# Altium PCB Mainboard.PcbDoc (part 2 of 4) (continued)
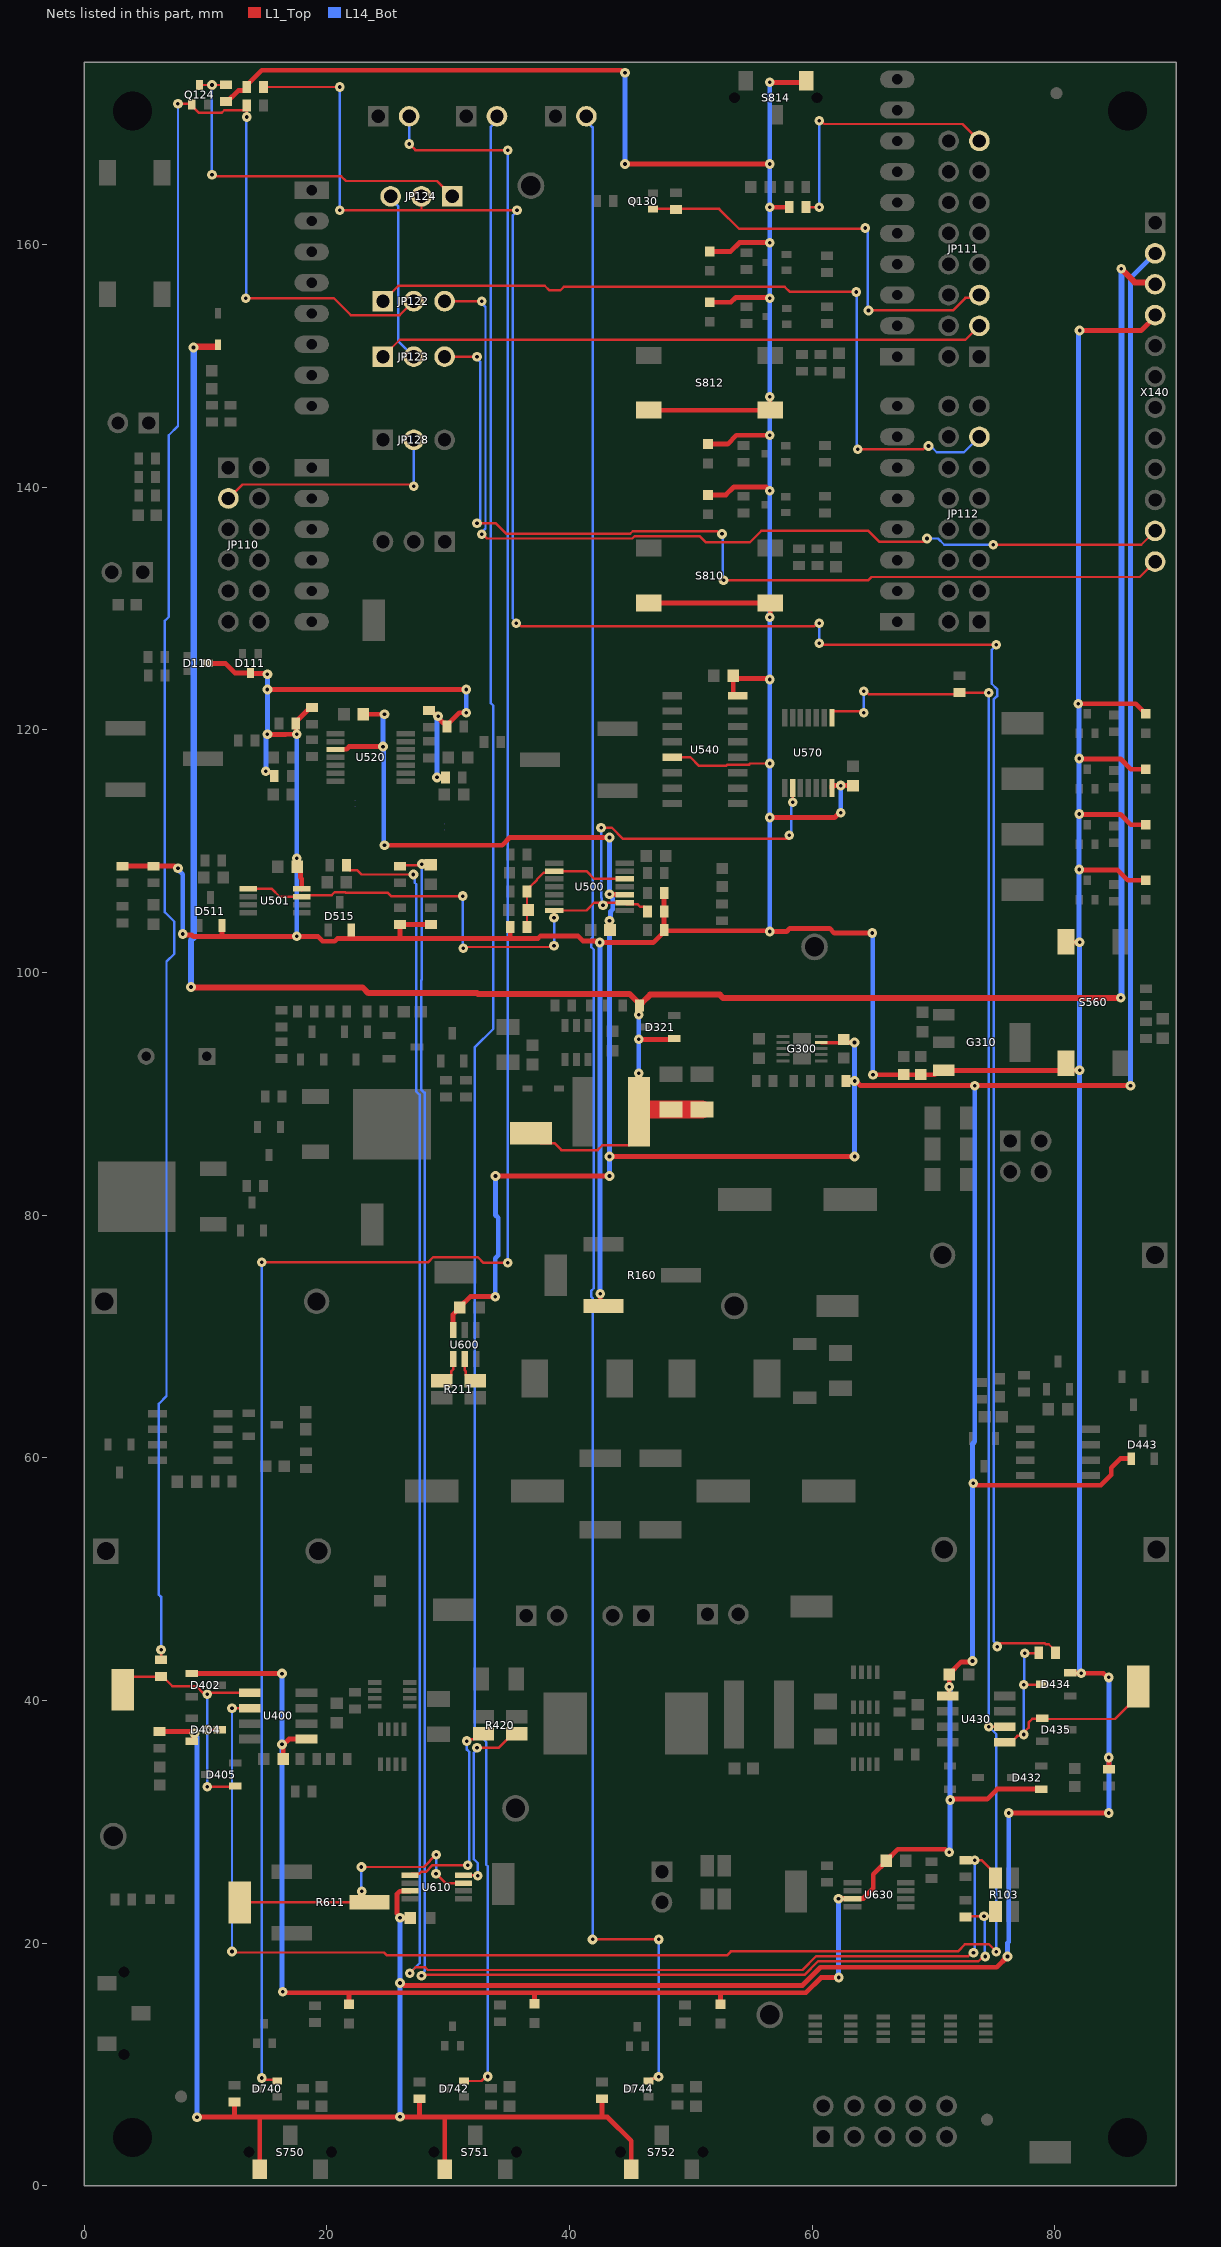
[diagram p2: the nets of this part, all layers, seen from the top]
## Part data (continued)
JP710: library part 624445, "Header, 4pins, 2.54mm pitch, Board to Board", Manufacturer="Wurth Elektronik", Package Description="Connector, THT, 2.54mm pitch, 4 pins,5.08mm L X 5.08mm W X 8.89mm H body", Supplier Part Number 1=2356130, Temperature max=105, Temperature min=-40, Temperature Range=Industrial, Voltage DC (max)=na, Article Number=624445, Automotive Qualified=No, Combined Parameters="Board-to-Board Header (male);2x2;Mounting:THT;Orient:0° (vertical);Shielded:No", ComponentLink1Description="Vendor WebSite", ComponentLink1URL=http://www.we-online.com, ComponentLink2Description=Datasheet, ComponentLink2URL=http://webnetprod.muc.infineon.com/PCBPortal_Prod/WorkFlows/AltiumComponent/StandardDocumentation?Versionid=624446, ComponentStatus=Released, Legacy DeviceID=WE_61300421121, Manufacturer Order Number=61300421121, PackageReference=THT, Part Type=Connector, PLMStatus=Active, QuickPick="0° (vertical) / Board-to-Board", RoHS Compliant=Y, Second Source allowed=Yes, Style=Strip, Supplier 1=Farnell, Supplier 2=DigiKey, Supplier 3=Mouser, Supplier Part Number 2=732-5294-ND, Supplier Part Number 3=710-61300421121, Type=Board-to-Board, Version Number=V01
L320: library part 638654, "IND / STD / 22uH / 2.1A / 20% / -40°C to 125°C / 89mR / SMD / Inductor; 2 pin, 6.00 mm L X 6.00 mm W X 4.50 mm H Body / SMD / -", Manufacturer="Wurth Elektronik", Package Description="Inductor; 2 pin, 6.00 mm L X 6.00 mm W X 4.50 mm H Body", Supplier Part Number 1=2431542, Temperature max=125, Temperature min=-40, Temperature Range=Automotive, Tolerance Neg=20%, Voltage DC (max)=na, Alternate View=Yes, Application="Power Electronics", Article Number=638654, Automotive Qualified="AEC Q200", Combined Parameters=Tol.:-20%/+20%;Rdc:89mR;Idc:2.1A;Fres:15MHz, ComponentLink1Description="Vendor WebSite", ComponentLink1URL=http://www.we-online.com, ComponentLink2Description=Datasheet, ComponentLink2URL=http://webnetprod.muc.infineon.com/PCBPortal_Prod/WorkFlows/AltiumComponent/StandardDocumentation?Versionid=638655, ComponentStatus=Released, Manufacturer Order Number=74404064220, Multiple Parts=No, PackageReference=SMD, Part Type=Inductor, PLMStatus=Active, QuickPick="22uH / Standard / SMD", RoHS Compliant=Y, Second Source allowed=Yes, Style=Single, Supplier 1=Farnell, Supplier 2=DigiKey, Supplier 3=Mouser, Supplier Part Number 2=732-5554-1-ND, Supplier Part Number 3=710-74404064220, Symbol Type="Inductor; Single; Standard; Polarized; Core; 2 Pins", Technology="Wire Wound", Tolerance Pos=20%, Type=Standard, Version Number=V01
L420: library part 657324, "IND / STD / 27uH / 4.6A / 20% / -40°C to 125°C / 40mR / 1210 / Inductor,Molded Body;12.00mm L X 12.00mm W X 10.00mm H / SMD / -", Manufacturer="Wurth Elektronik", Package Description="Inductor,Molded Body;12.00mm L X 12.00mm W X 10.00mm H", Supplier Part Number 1=2211547, Temperature max=125, Temperature min=-40, Temperature Range=Automotive, Tolerance Neg=20%, Voltage DC (max)=na, Alternate View=Yes, Application="Power Electronics", Article Number=657324, Automotive Qualified="AEC Q200", Combined Parameters=Tol.:-20%/+20%;Rdc:40mR;Idc:4.6A;Fres:8MHz, ComponentLink1Description="Vendor WebSite", ComponentLink1URL=http://www.we-online.com, ComponentLink2Description=Datasheet, ComponentLink2URL=http://webnetprod.muc.infineon.com/PCBPortal_Prod/WorkFlows/AltiumComponent/StandardDocumentation?Versionid=657325, ComponentStatus=Released, Manufacturer Order Number=7447709270, Multiple Parts=No, PackageReference=1210, Part Type=Inductor, PLMStatus=Active, QuickPick="27uH / Standard / 1210", RoHS Compliant=Y, Second Source allowed=Yes, Style=Single, Supplier 1=Farnell, Supplier 2=DigiKey, Supplier 3=Mouser, Supplier Part Number 2=732-4121-1-ND, Supplier Part Number 3=710-7447709270, Symbol Type="Inductor; Single; Standard; 2 Pins", Technology="Wire Wound", Tolerance Pos=20%, Type=Standard, Version Number=V00
L421: library part 657326, "IND / STD / 15uH / 5.8A / 20% / -55°C to 155°C / 43mR / 6.6 x 6.4 mm / Inductor, SMD, 2 pin, 6.40 mm L X 6.60 mm W X 6.00 mm H body / - / -", Manufacturer=Bourns, Package Description="Inductor, SMD, 2 pin, 6.40 mm L X 6.60 mm W X 6.00 mm H body", Supplier Part Number 1=2901829, Temperature max=155, Temperature min=-55, Temperature Range=Military, Tolerance Neg=20%, Voltage DC (max)=na, Alternate View=Yes, Application="Power Electronics", Article Number=657326, Automotive Qualified="AEC Q200", Combined Parameters=Tol.:-20%/+20%;Rdc:43mR;Idc:5.8A;Fres:11MHz, ComponentLink1Description="Vendor WebSite", ComponentLink1URL=http://www.bourns.com, ComponentLink2Description=Datasheet, ComponentLink2URL=http://webnetprod.muc.infineon.com/PCBPortal_Prod/WorkFlows/AltiumComponent/StandardDocumentation?Versionid=657327, ComponentStatus=Released, Manufacturer Order Number=SRP6060FA-150M, Multiple Parts=No, PackageReference="6.6 x 6.4 mm", Part Type=Inductor, PLMStatus=Active, QuickPick="15uH / Standard / 6.6 x 6.4 mm", RoHS Compliant=Y, Second Source allowed=Yes, Style=Single, Supplier 1=Farnell, Supplier 2=DigiKey, Supplier 3=Mouser, Supplier Part Number 2=SRP6060FA-150MCT-ND, Supplier Part Number 3=652-SRP6060FA-150M, Symbol Type="Inductor; Single; Standard; Core; 2 Pins", Technology="Wire Wound", Tolerance Pos=20%, Type=Standard, Version Number=V00
MP100 MP101 MP102 MP103: library part 455343, "Cheese Head Screw With Hexagon Socket, DIN 912 (ISO 4762), M3, 16mm length", Legacy PartNumber=MEC10000167, Manufacturer="Wurth Elektronik", Package Description="M3 Cheese Head Screw X 5.68mm Head", Temperature max=0, Temperature Range=Military, Voltage DC (max)=na, Alternate View=No, Article Number=455343, Automotive Qualified=No, Combined Parameters="Steel Hexagonal 19x5.68 Screw", ComponentLink1Description="Vendor WebSite", ComponentLink1URL=http://www.we-online.com, ComponentLink2Description=Datasheet, ComponentLink2URL=http://webnetprod.muc.infineon.com/PCBPortal_Prod/WorkFlows/AltiumComponent/StandardDocumentation?Versionid=455344, ComponentStatus=Released, Legacy DeviceID="MEC_0082 3 16", Manufacturer Order Number="0082 3 16", Multiple Parts=No, PackageReference=THT, Part Type=Mechanical, PLMStatus=Active, QuickPick=Screw, RoHS Compliant=N, Second Source allowed=Yes, Style=Hexagonal, Supplier 1=Farnell, Supplier 2=DigiKey, Supplier 3=Mouser, Symbol Type="Cheese-Head Screw, M2.5X5-DIN 912", Temperature min=0, Type=Screw, Version Number=V01
Q124 Q130 Q550 Q551 Q552 Q553 Q740 Q742 Q744 Q800 Q802 Q804 Q806: library part 644598, "OptiMOS 2 Small-Signal-Transistor", Manufacturer="Infineon Technologies", Package Description="SOT,0.65mm pitch;3 pin,1.25mm W X 2.00mm L X 1.00mm H body", Supplier Part Number 1=2617470, Temperature max=150, Temperature min=-55, Temperature Range=Military, Voltage DC (max)=na, Application="Small Signal", Article Number=644598, Automotive Qualified="AEC Q101", Combined Parameters="N-Channel Enhancement;Uds:20V;Id:1.4A;Rds:240R;P:500mW", ComponentLink1Description="Vendor WebSite", ComponentLink1URL=https://www.infineon.com/, ComponentLink2Description=Datasheet, ComponentLink2URL=http://webnetprod.muc.infineon.com/PCBPortal_Prod/WorkFlows/AltiumComponent/StandardDocumentation?Versionid=644599, ComponentStatus=Released, Legacy DeviceID=IFX_BSS816NW, Manufacturer Order Number=BSS816NW, PackageReference=PG-SOT323-3-2, Part Type="Transistor FET", PLMStatus=Active, QuickPick="N-Channel Enhancement / 500mW / 1.4A / 20V / PG-SOT323-3-2", RoHS Compliant=Y, Second Source allowed=Yes, Style=Single, Supplier 1=Farnell, Supplier 2=DigiKey, Supplier 3=Mouser, Supplier Part Number 2=BSS816NWH6327XTSA1CT-ND, Supplier Part Number 3=726-SP000917562, Symbol Type="Insulated-Gate Field-Effect Transistor (IGFET), N-Channel, Depletion,  Body Diode, Pin 1 Gate, 2 Source, 3 Drain, 3 Pins", Type="N-Channel Enhancement", Version Number=V01
Q200 Q201: library part 644075, "OptiMOS Power Transistor, -60 V", Manufacturer="Infineon Technologies", Package Description="TO,2.28mm pitch;2 pin,9.98mm L X 6.50mm W X 2.50mm H body", Supplier Part Number 1=3267848, Temperature max=175, Temperature min=-55, Temperature Range=Military, Voltage DC (max)=na, Application="Power Electronics", Article Number=644075, Automotive Qualified=No, Combined Parameters="P-Channel Enhancement;Uds:-60V;Id:-22A;Rds:65R;P:83W", ComponentLink1Description="Vendor WebSite", ComponentLink1URL=https://www.infineon.com/, ComponentLink2Description=Datasheet, ComponentLink2URL=http://webnetprod.muc.infineon.com/PCBPortal_Prod/WorkFlows/AltiumComponent/StandardDocumentation?Versionid=644076, ComponentStatus=Released, Legacy DeviceID=IFX_IPD650P06NM, Manufacturer Order Number=IPD650P06NM, PackageReference=PG-TO252-3-313, Part Type="Transistor FET", PLMStatus=Active, QuickPick="P-Channel Enhancement / 83W / -22A / -60V / PG-TO252-3-313", RoHS Compliant=Y, Second Source allowed=Yes, Style=Single, Supplier 1=Farnell, Supplier 2=DigiKey, Supplier 3=Mouser, Supplier Part Number 2=448-IPD650P06NMATMA1CT-ND, Supplier Part Number 3=726-IPD650P06NMATMA1, Symbol Type="Insulated-Gate Field-Effect Transistor (IGFET), P-Channel, Enhancement,  Body Diode, Pin 1 Gate, 2 Drain, 3 Source, 3 Pins", Type="P-Channel Enhancement", Version Number=V01
Q202: library part 422992, "SIPMOS P-Channel Enhancement Small-Signal-Transistor", Legacy PartNumber=IFX01400461, Manufacturer="Infineon Technologies", Package Description="SOT23, 3-Leads, Body 2.90x2.40mm, Pitch 0.95mm, IPC Medium Density", Supplier Part Number 1=1056526, Temperature max=150, Temperature min=-55, Temperature Range=Military, Voltage DC (max)=na, Application="Power Supply", Article Number=422992, Automotive Qualified="AEC Q101", Combined Parameters=P-Channel;Uds:-60V;Id:-170mA;Rds:12R;P:360mW, ComponentLink1Description="Vendor WebSite", ComponentLink1URL=https://www.infineon.com/, ComponentLink2Description=Datasheet, ComponentLink2URL=http://webnetprod.muc.infineon.com/PCBPortal_Prod/WorkFlows/AltiumComponent/StandardDocumentation?Versionid=422993, ComponentStatus=Released, Legacy DeviceID=IFX_BSS84PH6327XTSA2, Manufacturer Order Number=BSS84PH6327XTSA2, PackageReference=PG-SOT23, Part Type="Transistor FET", PLMStatus=Active, QuickPick="P-Channel / 360mW / -170mA / -60V / PG-SOT23", RoHS Compliant=Y, Second Source allowed=Yes, Style=Single, Supplier 1=Farnell, Supplier 2=DigiKey, Supplier 3=Mouser, Supplier Part Number 2=BSS84PH6327XTSA2TR-ND, Supplier Part Number 3=726-BSS84PH6327XTSA2, Symbol Type="Insulated-Gate Field-Effect Transistor (IGFET), P-Channel, Enhancement,  Body Diode, Pin 1 Gate, 2 Source, 3 Drain, 3 Pins", Type=P-Channel, Version Number=V01
Q400 Q401 Q430 Q431 Q741 Q743 Q745: library part 422114, "OptiMOS Power - MOSFET, 60 V", Legacy PartNumber=IFX01400359, Manufacturer="Infineon Technologies", Package Description="SON,0.65mm pitch;8 pin,3.3mm W X 3.3mm L X 1.10mm H body", Supplier Part Number 1=2709918, Temperature max=150, Temperature min=-55, Temperature Range=Military, Voltage DC (max)=na, Application="Power Supply", Article Number=422114, Automotive Qualified=No, Combined Parameters=N-Channel;Uds:60V;Id:40A;Rds:10mR;P:36W, ComponentLink1Description="Vendor WebSite", ComponentLink1URL=https://www.infineon.com/, ComponentLink2Description=Datasheet, ComponentLink2URL=http://webnetprod.muc.infineon.com/PCBPortal_Prod/WorkFlows/AltiumComponent/StandardDocumentation?Versionid=422115, ComponentStatus=Released, Legacy DeviceID=IFX_BSZ100N06NS, Manufacturer Order Number=BSZ100N06NS, PackageReference="PG-TSDSON-8 FL", Part Type="Transistor FET", PLMStatus=Active, QuickPick="N-Channel / 36W / 40A / 60V / PG-TSDSON-8 FL", RoHS Compliant=N, Second Source allowed=Yes, Style=Single, Supplier 1=Farnell, Supplier 2=DigiKey, Supplier 3=Mouser, Supplier Part Number 2=BSZ100N06NSATMA1TR-ND, Supplier Part Number 3=726-BSZ100N06NSATMA1, Symbol Type="Insulated-Gate Field-Effect Transistor (IGFET), N-Channel, Enhancement, Body Diode, Pin 1 Source, 2 Source, 3 Source, 4 Gate, 5 Drain, 6 Drain, 7 Drain, 8 Drain, 8 Pins", Type=N-Channel, Version Number=V01
R103 R211 R420 R421: library part 644055, "RES / STD / 15mR / 500mW / 1% / 75ppm/K / -55°C to 155°C / 1206 (3216) / SMD / -", Manufacturer=Ohmite, Package Description="Resistor, SMD, 4 pin, 3.00 mm L X 1.60 mm W X 0.65 mm H body", Supplier Part Number 1=3274221, Temperature max=155, Temperature min=-55, Temperature Range=Military, Tolerance Neg=1%, Alternate View=Yes, Application=Precision, Article Number=644055, Automotive Qualified=No, Combined Parameters=TCR:75ppm/K;Tol.:-1%/+1%;Vdc:-;Idc:-;P:500mW, ComponentLink1Description="Vendor WebSite", ComponentLink1URL=http://www.ohmite.com, ComponentLink2Description=Datasheet, ComponentLink2URL=http://webnetprod.muc.infineon.com/PCBPortal_Prod/WorkFlows/AltiumComponent/StandardDocumentation?Versionid=644056, ComponentStatus=Released, Manufacturer Order Number=L4T12FR015FER, Multiple Parts=No, PackageReference="1206 (3216)", Part Type=Resistor, PLMStatus=Active, QuickPick="15mR / 1% / 0.5 / 1206 (3216)", RoHS Compliant=Y, Second Source allowed=Yes, Style="4-Terminal (Shunt)", Supplier 1=Farnell, Supplier 2=DigiKey, Supplier 3=Mouser, Supplier Part Number 2=273-L4T12FR015FERCT-ND, Supplier Part Number 3=284-L4T12FR015FER, Symbol Type="Resistor; 4-Terminal (Shunt); Standard; 4 Pins", Technology="Thick Film", Tolerance Pos=1%, Type=Standard, Version Number=V01
R110 R111 R112 R130 R200 R202 R203 R205 R209 R220 R411 R441 R503 R504 R508 R512 R521 R528 R800 R802 R804 R806: library part 346552, "RES / STD / 47k / 100mW / 1% / 100ppm/K / -55°C to 155°C / 0603 / SMD / -", Legacy PartNumber=RES01801333, Manufacturer=Vishay, Temperature max=155, Temperature min=-55, Temperature Range=Military, Tolerance Neg=1%, Voltage DC (max)=75V, Alternate View=Yes, Article Number=346552, Automotive Qualified="AEC Q200", Combined Parameters=TCR:100ppm/K;Tol.:-1%/+1%;Vdc:75V;Idc:-;P:100mW, ComponentLink1Description="Vendor WebSite", ComponentLink1URL=http://www.vishay.com, ComponentLink2Description=Datasheet, ComponentLink2URL=http://webnetprod.muc.infineon.com/PCBPortal_Prod/WorkFlows/AltiumComponent/StandardDocumentation?Versionid=346553, ComponentStatus=Released, Legacy DeviceID=RES01801333, Manufacturer Order Number=CRCW060347K0FK, Multiple Parts=No, PackageReference=0603, Part Type=Resistor, PLMStatus=Active, QuickPick="47k / 1% / 0.1 / 0603", RoHS Compliant=Y, Second Source allowed=Yes, Style=Single, Supplier 1=Farnell, Supplier 2=DigiKey, Supplier 3=Mouser, Supplier Part Number 2=541-47.0KHCT-ND, Symbol Type="Resistor; Single; Standard; 2 Pins", Technology="Thick Film", Tolerance Pos=1%, Type=Standard, Version Number=V01
R122 R123 R320 R505 R506 R507 R509 R513 R740 R742 R744: library part 346742, "RES / STD / 100k / 100mW / 1% / 100ppm/K / -55°C to 155°C / 0603 / SMD / -", Legacy PartNumber=RES01801371, Manufacturer=Vishay, Supplier Part Number 1=1469649, Temperature max=155, Temperature min=-55, Temperature Range=Military, Tolerance Neg=1%, Voltage DC (max)=75V, Alternate View=Yes, Article Number=346742, Automotive Qualified="AEC Q200", Combined Parameters=TCR:100ppm/K;Tol.:-1%/+1%;Vdc:75V;Idc:-;P:100mW, ComponentLink1Description="Vendor WebSite", ComponentLink1URL=http://www.vishay.com, ComponentLink2Description=Datasheet, ComponentLink2URL=http://webnetprod.muc.infineon.com/PCBPortal_Prod/WorkFlows/AltiumComponent/StandardDocumentation?Versionid=346743, ComponentStatus=Released, Legacy DeviceID=RES01801371, Manufacturer Order Number=CRCW0603100KFK, Multiple Parts=No, PackageReference=0603, Part Type=Resistor, PLMStatus=Active, QuickPick="100k / 1% / 0.1 / 0603", RoHS Compliant=Y, Second Source allowed=Yes, Style=Single, Supplier 1=Farnell, Supplier 2=DigiKey, Supplier 3=Mouser, Symbol Type="Resistor; Single; Standard; 2 Pins", Technology="Thick Film", Tolerance Pos=1%, Type=Standard, Version Number=V01
R124 R131 R322 R410 R440 R631 R633 R722: library part 345662, "RES / STD / 1.3k / 100mW / 1% / 100ppm/K / -55°C to 155°C / 0603 / SMD / -", Legacy PartNumber=RES01801155, Manufacturer=Vishay, Temperature max=155, Temperature min=-55, Temperature Range=Military, Tolerance Neg=1%, Voltage DC (max)=75V, Alternate View=Yes, Article Number=345662, Automotive Qualified="AEC Q200", Combined Parameters=TCR:100ppm/K;Tol.:-1%/+1%;Vdc:75V;Idc:-;P:100mW, ComponentLink1Description="Vendor WebSite", ComponentLink1URL=http://www.vishay.com, ComponentLink2Description=Datasheet, ComponentLink2URL=http://webnetprod.muc.infineon.com/PCBPortal_Prod/WorkFlows/AltiumComponent/StandardDocumentation?Versionid=345663, ComponentStatus=Released, Legacy DeviceID=RES01801155, Manufacturer Order Number=CRCW06031K30FK, Multiple Parts=No, PackageReference=0603, Part Type=Resistor, PLMStatus=Active, QuickPick="1.3k / 1% / 0.1 / 0603", RoHS Compliant=Y, Second Source allowed=Yes, Style=Single, Supplier 1=Farnell, Supplier 2=DigiKey, Supplier 3=Mouser, Symbol Type="Resistor; Single; Standard; 2 Pins", Technology="Thick Film", Tolerance Pos=1%, Type=Standard, Version Number=V01
R160 R524 R531 R611: library part 630020, "RES / VAR / 10k / 500mW / 10% / 100ppm/K / -55°C to 125°C /  3 pin, 7.04 mm L X 6.71 mm W X 5.84 mm H Body / SMD / -", Manufacturer=Bourns, Package Description="Potentiometer, SMD; 3 pin, 7.04 mm L X 6.71 mm W X 5.84 mm H Body", Supplier Part Number 1=1696060, Temperature max=125, Temperature min=-55, Temperature Range=Military, Tolerance Neg=10%, Alternate View=Yes, Application=Standard, Article Number=630020, Automotive Qualified=No, Combined Parameters=TCR:100ppm/K;Tol.:-10%/+10%;Vdc:-;Idc:-;P:500mW, ComponentLink1Description="Vendor WebSite", ComponentLink1URL=http://www.bourns.com, ComponentLink2Description=Datasheet, ComponentLink2URL=http://webnetprod.muc.infineon.com/PCBPortal_Prod/WorkFlows/AltiumComponent/StandardDocumentation?Versionid=630021, ComponentStatus=Released, Manufacturer Order Number=3361P-1-103GLF, Multiple Parts=No, PackageReference=SMD, Part Type=Resistor, PLMStatus=Active, QuickPick="10k / 10% / 0.5 / SMD", RoHS Compliant=Y, Second Source allowed=Yes, Style=Single, Supplier 1=Farnell, Supplier 2=DigiKey, Supplier 3=Mouser, Supplier Part Number 2=3361P-103GLFCT-ND, Supplier Part Number 3=652-3361P-1-103GLF, Symbol Type="Resistor; Single; Variable; 3 Pins", Tolerance Pos=10%, Type=Variable, Version Number=V01
R170 R400 R401 R430 R431 R720: library part 344622, "RES / STD / 20R / 100mW / 1% / 100ppm/K / -55°C to 155°C / 0603 / SMD / -", Legacy PartNumber=RES01800947, Manufacturer=Vishay, Temperature max=155, Temperature min=-55, Temperature Range=Military, Tolerance Neg=1%, Voltage DC (max)=75V, Alternate View=Yes, Article Number=344622, Automotive Qualified="AEC Q200", Combined Parameters=TCR:100ppm/K;Tol.:-1%/+1%;Vdc:75V;Idc:-;P:100mW, ComponentLink1Description="Vendor WebSite", ComponentLink1URL=http://www.vishay.com, ComponentLink2Description=Datasheet, ComponentLink2URL=http://webnetprod.muc.infineon.com/PCBPortal_Prod/WorkFlows/AltiumComponent/StandardDocumentation?Versionid=344623, ComponentStatus=Released, Legacy DeviceID=RES01800947, Manufacturer Order Number=CRCW060320R0FK, Multiple Parts=No, PackageReference=0603, Part Type=Resistor, PLMStatus=Active, QuickPick="20R / 1% / 0.1 / 0603", RoHS Compliant=Y, Second Source allowed=Yes, Style=Single, Supplier 1=Farnell, Supplier 2=DigiKey, Supplier 3=Mouser, Symbol Type="Resistor; Single; Standard; 2 Pins", Technology="Thick Film", Tolerance Pos=1%, Type=Standard, Version Number=V01
R204 R208: library part 347472, "RES / STD / 2MEG / 100mW / 1% / 100ppm/K / -55°C to 155°C / 0603 / SMD / -", Legacy PartNumber=RES01801517, Manufacturer=Vishay, Temperature max=155, Temperature min=-55, Temperature Range=Military, Tolerance Neg=1%, Voltage DC (max)=75V, Alternate View=Yes, Article Number=347472, Automotive Qualified="AEC Q200", Combined Parameters=TCR:100ppm/K;Tol.:-1%/+1%;Vdc:75V;Idc:-;P:100mW, ComponentLink1Description="Vendor WebSite", ComponentLink1URL=http://www.vishay.com, ComponentLink2Description=Datasheet, ComponentLink2URL=http://webnetprod.muc.infineon.com/PCBPortal_Prod/WorkFlows/AltiumComponent/StandardDocumentation?Versionid=347473, ComponentStatus=Released, Legacy DeviceID=RES01801517, Manufacturer Order Number=CRCW06032M00FK, Multiple Parts=No, PackageReference=0603, Part Type=Resistor, PLMStatus=Active, QuickPick="2MEG / 1% / 0.1 / 0603", RoHS Compliant=Y, Second Source allowed=Yes, Style=Single, Supplier 1=Farnell, Supplier 2=DigiKey, Supplier 3=Mouser, Symbol Type="Resistor; Single; Standard; 2 Pins", Technology="Thick Film", Tolerance Pos=1%, Type=Standard, Version Number=V01
R206 R562 R632 R634 R811 R813: library part 346637, "RES / STD / 64.9k / 100mW / 1% / 100ppm/K / -55°C to 155°C / 0603 / SMD / -", Legacy PartNumber=RES01801350, Manufacturer=Vishay, Temperature max=155, Temperature min=-55, Temperature Range=Military, Tolerance Neg=1%, Voltage DC (max)=75V, Alternate View=Yes, Article Number=346637, Automotive Qualified="AEC Q200", Combined Parameters=TCR:100ppm/K;Tol.:-1%/+1%;Vdc:75V;Idc:-;P:100mW, ComponentLink1Description="Vendor WebSite", ComponentLink1URL=http://www.vishay.com, ComponentLink2Description=Datasheet, ComponentLink2URL=http://webnetprod.muc.infineon.com/PCBPortal_Prod/WorkFlows/AltiumComponent/StandardDocumentation?Versionid=346638, ComponentStatus=Released, Legacy DeviceID=RES01801350, Manufacturer Order Number=CRCW060364K9FK, Multiple Parts=No, PackageReference=0603, Part Type=Resistor, PLMStatus=Active, QuickPick="64.9k / 1% / 0.1 / 0603", RoHS Compliant=Y, Second Source allowed=Yes, Style=Single, Supplier 1=Farnell, Supplier 2=DigiKey, Supplier 3=Mouser, Symbol Type="Resistor; Single; Standard; 2 Pins", Technology="Thick Film", Tolerance Pos=1%, Type=Standard, Version Number=V01
R207 R210 R301 R321 R500 R522 R529 R721 R741 R743 R745 R814: library part 346302, "RES / STD / 17.8k / 100mW / 1% / 100ppm/K / -55°C to 155°C / 0603 / SMD / -", Legacy PartNumber=RES01801283, Manufacturer=Vishay, Temperature max=155, Temperature min=-55, Temperature Range=Military, Tolerance Neg=1%, Voltage DC (max)=75V, Alternate View=Yes, Article Number=346302, Automotive Qualified="AEC Q200", Combined Parameters=TCR:100ppm/K;Tol.:-1%/+1%;Vdc:75V;Idc:-;P:100mW, ComponentLink1Description="Vendor WebSite", ComponentLink1URL=http://www.vishay.com, ComponentLink2Description=Datasheet, ComponentLink2URL=http://webnetprod.muc.infineon.com/PCBPortal_Prod/WorkFlows/AltiumComponent/StandardDocumentation?Versionid=346303, ComponentStatus=Released, Legacy DeviceID=RES01801283, Manufacturer Order Number=CRCW060317K8FK, Multiple Parts=No, PackageReference=0603, Part Type=Resistor, PLMStatus=Active, QuickPick="17.8k / 1% / 0.1 / 0603", RoHS Compliant=Y, Second Source allowed=Yes, Style=Single, Supplier 1=Farnell, Supplier 2=DigiKey, Supplier 3=Mouser, Symbol Type="Resistor; Single; Standard; 2 Pins", Technology="Thick Film", Tolerance Pos=1%, Type=Standard, Version Number=V01
R212 R701: library part 513799, "RES / STD / 300mR / 1W / 1% / 75ppm/K / -65°C to 170°C / 2512 / SMD / -", Manufacturer=Vishay, Package Description="Resistor,Chip;6.35mm L X 3.18mm W X 0.889mm H", Supplier Part Number 1=1107412, Temperature max=170, Temperature min=-65, Temperature Range=Military, Tolerance Neg=1%, Alternate View=Yes, Application=Standard, Article Number=513799, Automotive Qualified="AEC Q200", Combined Parameters=TCR:75ppm/K;Tol.:-1%/+1%;Vdc:-;Idc:-;P:1W, ComponentLink1Description="Vendor WebSite", ComponentLink1URL=http://www.vishay.com, ComponentLink2Description=Datasheet, ComponentLink2URL=http://webnetprod.muc.infineon.com/PCBPortal_Prod/WorkFlows/AltiumComponent/StandardDocumentation?Versionid=513800, ComponentStatus=Released, Manufacturer Order Number=WSL2512R3000FEA, Multiple Parts=No, PackageReference=2512, Part Type=Resistor, PLMStatus=Active, QuickPick="300mR / 1% / 1 / 2512", RoHS Compliant=Y, Second Source allowed=Yes, Style=Single, Supplier 1=Farnell, Supplier 2=DigiKey, Supplier 3=Mouser, Supplier Part Number 2=WSLG-.30CT-ND, Supplier Part Number 3=71-WSL2512R3000FEA, Symbol Type="Resistor; Single; Standard; 2 Pins", Technology="Power Metal Strip", Tolerance Pos=1%, Type=Standard, Version Number=V01
R221 R404 R405 R434 R501 R502 R510 R511 R514 R515 R520 R523 R525 R527 R530 R532 R561 R750 R751 R752 R810 R812: library part 345982, "RES / STD / 4.7k / 100mW / 1% / 100ppm/K / -55°C to 155°C / 0603 / SMD / -", Legacy PartNumber=RES01801219, Manufacturer=Vishay, Temperature max=155, Temperature min=-55, Temperature Range=Military, Tolerance Neg=1%, Voltage DC (max)=75V, Alternate View=Yes, Article Number=345982, Automotive Qualified="AEC Q200", Combined Parameters=TCR:100ppm/K;Tol.:-1%/+1%;Vdc:75V;Idc:-;P:100mW, ComponentLink1Description="Vendor WebSite", ComponentLink1URL=http://www.vishay.com, ComponentLink2Description=Datasheet, ComponentLink2URL=http://webnetprod.muc.infineon.com/PCBPortal_Prod/WorkFlows/AltiumComponent/StandardDocumentation?Versionid=345983, ComponentStatus=Released, Legacy DeviceID=RES01801219, Manufacturer Order Number=CRCW06034K70FK, Multiple Parts=No, PackageReference=0603, Part Type=Resistor, PLMStatus=Active, QuickPick="4.7k / 1% / 0.1 / 0603", RoHS Compliant=Y, Second Source allowed=Yes, Style=Single, Supplier 1=Farnell, Supplier 2=DigiKey, Supplier 3=Mouser, Symbol Type="Resistor; Single; Standard; 2 Pins", Technology="Thick Film", Tolerance Pos=1%, Type=Standard, Version Number=V01
R302 R303 R402 R403 R435 R550 R551 R552 R553 R801 R803 R805 R807: library part 345782, "RES / STD / 2.2k / 100mW / 1% / 100ppm/K / -55°C to 155°C / 0603 / SMD / -", Legacy PartNumber=RES01801179, Manufacturer=Vishay, Temperature max=155, Temperature min=-55, Temperature Range=Military, Tolerance Neg=1%, Voltage DC (max)=75V, Alternate View=Yes, Article Number=345782, Automotive Qualified="AEC Q200", Combined Parameters=TCR:100ppm/K;Tol.:-1%/+1%;Vdc:75V;Idc:-;P:100mW, ComponentLink1Description="Vendor WebSite", ComponentLink1URL=http://www.vishay.com, ComponentLink2Description=Datasheet, ComponentLink2URL=http://webnetprod.muc.infineon.com/PCBPortal_Prod/WorkFlows/AltiumComponent/StandardDocumentation?Versionid=345783, ComponentStatus=Released, Legacy DeviceID=RES01801179, Manufacturer Order Number=CRCW06032K20FK, Multiple Parts=No, PackageReference=0603, Part Type=Resistor, PLMStatus=Active, QuickPick="2.2k / 1% / 0.1 / 0603", RoHS Compliant=Y, Second Source allowed=Yes, Style=Single, Supplier 1=Farnell, Supplier 2=DigiKey, Supplier 3=Mouser, Symbol Type="Resistor; Single; Standard; 2 Pins", Technology="Thick Film", Tolerance Pos=1%, Type=Standard, Version Number=V01
R526: library part 466242, "RES / NTC / 10k / 100mW / 1% / - / -40°C to 125°C / 0603(1608) / SMD / -", Legacy PartNumber=RES01806219, Manufacturer=MuRata, Package Description="Resistor,Chip;1.60mm L X 0.80mm W X 0.95mm H", Package Imperial=0603, Package Metric=1608, Supplier Part Number 1=2456122RL, Temperature max=125, Temperature min=-40, Temperature Range=Automotive, Tolerance Neg=1%, Alternate View=Yes, Article Number=466242, Automotive Qualified=No, Combined Parameters=TCR:-;Tol.:-1%/+1%;Vdc:-;Idc:-;P:100mW, ComponentLink1Description="Vendor WebSite", ComponentLink1URL=http://www.murata.com/, ComponentLink2Description=Datasheet, ComponentLink2URL=http://webnetprod.muc.infineon.com/PCBPortal_Prod/WorkFlows/AltiumComponent/StandardDocumentation?Versionid=466243, ComponentStatus=Released, Legacy DeviceID=RES01806219, Manufacturer Order Number=NCP18XH103F03RB, Multiple Parts=No, PackageReference=0603, Part Type=Resistor, PLMStatus=Active, QuickPick="10k / 1% / 0.1 / 0603", RoHS Compliant=Y, Second Source allowed=Yes, Style=Single, Supplier 1=Farnell, Supplier 2=DigiKey, Supplier 3=Mouser, Supplier Part Number 2=490-4800-2-ND, Supplier Part Number 3=81-NCP18XH103F03RB, Symbol Type="Resistor; Single; Negative Temperature Coefficient; 2 Pins", Tolerance Pos=1%, Type="Negative Temperature Coefficient (NTC)", Version Number=V01
S110 S560 S810 S812: library part 380147, "Pushbutton Tactile Switch, Single Pole Single Throw, 4 Pins", Legacy PartNumber=CON01500305, Manufacturer=Schurter, Package Description="SMD Switch, 6.00mm L X 6.00mm W X 4.3mm H body", Supplier Part Number 1=1217763, Temperature max=70, Temperature min=-20, Temperature Range=Commercial, Voltage DC (max)=na, Article Number=380147, ComponentLink1Description="Vendor WebSite", ComponentLink1URL=http://www.schurter.com.sg/, ComponentLink2Description=Datasheet, ComponentLink2URL=http://webnetprod.muc.infineon.com/PCBPortal_Prod/WorkFlows/AltiumComponent/StandardDocumentation?Versionid=380148, ComponentStatus=Released, Legacy DeviceID=SCH_1301.9314, Manufacturer Order Number=1301.9314, Part Type="Electro Mechanic", PLMStatus=Active, RoHS Compliant=Y, Second Source allowed=Yes, Supplier 1=Farnell, Supplier 2=DigiKey, Supplier 3=Mouser, Supplier Part Number 2=1301.9314-ND, Supplier Part Number 3=693-1301.9314, Symbol Type="Tactile Switch, Spring Return, Single Pole Single Throw - Normally Open, 4 Pins", Version Number=V01
S200 S750 S751 S752 S814: library part 650099, "Slid Switch, 12V, 200mA", Manufacturer="NIDEC COPAL ELECTRONICS, Inc.", Package Description="Switch, SMD, 3 Pins, 3.50 mm W X 8.50 mm L X 6.10 mm H body", Supplier Part Number 1=2854744, Temperature max=85, Temperature min=-40, Temperature Range=Industrial, Voltage DC (max)=na, Application=Power, Article Number=650099, Automotive Qualified=No, ComponentLink1Description="Vendor WebSite", ComponentLink1URL=www.copal-electronics.com/, ComponentLink2Description=Datasheet, ComponentLink2URL=http://webnetprod.muc.infineon.com/PCBPortal_Prod/WorkFlows/AltiumComponent/StandardDocumentation?Versionid=650100, ComponentStatus=Released, Manufacturer Order Number=CL-SB-12A-01T, Part Type="Electro Mechanic", PLMStatus=Active, RoHS Compliant=Y, Second Source allowed=Yes, Supplier 1=Farnell, Supplier 2=DigiKey, Supplier 3=Mouser, Supplier Part Number 2=563-1314-1-ND, Supplier Part Number 3=229-CL-SB-12A-01T, Symbol Type="Switch, 2 Change Over 1 3, 3 Pins", Version Number=V00
TP100 TP101 TP102 TP103 TP104 TP105: library part 382410, "PC Test Point-Multipurpose THT, Black", Legacy PartNumber=CON01500530, Manufacturer="Keystone Electronics Corp.", Package Description="Test Point, 1.78 mm Lead Width, Round, 3.17 mm Dia X 8.28 mm H body", Supplier Part Number 1=2431148, Temperature max=0, Temperature Range=Military, Voltage DC (max)=na, Alternate View=Yes, Application=Test, Article Number=382410, Automotive Qualified=No, Combined Parameters="Board-to-Cable None (onboard);1x1;Mounting:THT;Orient:0° (vertical);Shielded:No", ComponentLink1Description="Vendor WebSite", ComponentLink1URL=http://www.keyelco.com/, ComponentLink2Description=Datasheet, ComponentLink2URL=http://webnetprod.muc.infineon.com/PCBPortal_Prod/WorkFlows/AltiumComponent/StandardDocumentation?Versionid=382411, ComponentStatus=Released, Legacy DeviceID=KEY_5011, Manufacturer Order Number=5011, Multiple Parts=No, Part Type=Connector, PLMStatus=Active, QuickPick="0° (vertical) / Board-to-Cable", RoHS Compliant=Y, Second Source allowed=Yes, Style="Not Applicable", Supplier 1=Farnell, Supplier 2=DigiKey, Supplier 3=Mouser, Supplier Part Number 2=36-5011-ND, Supplier Part Number 3=534-5011, Symbol Type="Connector, 1 Lead, Female", Temperature min=0, Type=Board-to-Cable, Version Number=V01
TP160 TP211 TP320 TP400 TP401 TP430 TP431 TP432 TP525 TP532 TP540 TP541 TP542 TP543 TP600 TP610 TP611 TP630: library part 387486, "Test Terminal, Surface Mount (Tape and Reeled Components)", Legacy PartNumber=CON01501015, Manufacturer=Harwin, Package Description="Test Terminal, SMD, 3.25mm L X 1.65mm W X 2.15mm H body", Supplier Part Number 1=2411184, Temperature max=0, Temperature Range=Military, Voltage DC (max)=na, Alternate View=Yes, Application=Test, Article Number=387486, Automotive Qualified=No, Combined Parameters="Board-to-Cable None (onboard);1x1;Mounting:SMT;Orient:None (onboard);Shielded:No", ComponentLink1Description="Vendor WebSite", ComponentLink1URL=http://www.harwin.com/, ComponentLink2Description=Datasheet, ComponentLink2URL=http://webnetprod.muc.infineon.com/PCBPortal_Prod/WorkFlows/AltiumComponent/StandardDocumentation?Versionid=387487, ComponentStatus=Released, Legacy DeviceID=HAR_S1751-46R, Manufacturer Order Number=S1751-46R, Multiple Parts=No, Part Type=Connector, PLMStatus=Active, QuickPick="None (onboard) / Board-to-Cable", RoHS Compliant=Y, Second Source allowed=Yes, Style="Not Applicable", Supplier 1=Farnell, Supplier 2=DigiKey, Supplier 3=Mouser, Supplier Part Number 2=952-1478-2-ND, Supplier Part Number 3=855-S1751-46R, Symbol Type="Connector, 1 Lead, Female", Temperature min=0, Type=Board-to-Cable, Version Number=V01
U400 U430: library part 614957, "High voltage, high speed power MOSFET and IGBT drivers with dependent high-side and low-side referenced output channels Proprietary HVIC and latch immune CMOS technologies enable ruggedized monolithic construction", Manufacturer="Infineon Technologies", Package Description="SOIC,1.27mm pitch;8 pin,3.90mm W X 4.90mm L X 1.75mm H body", Supplier Part Number 1=1271819, Temperature max=125, Temperature min=-40, Temperature Range=Automotive, Voltage DC (max)=na, Alternate View=Yes, Article Number=614957, Automotive Qualified=No, Combined Parameters="- - 625mW;Vo:- to -", ComponentLink1Description="Vendor WebSite", ComponentLink1URL=https://www.infineon.com/, ComponentLink2Description=Datasheet, ComponentLink2URL=http://webnetprod.muc.infineon.com/PCBPortal_Prod/WorkFlows/AltiumComponent/StandardDocumentation?Versionid=614958, ComponentStatus=Released, Legacy DeviceID=IFX_IRS2184SPBF, Manufacturer Order Number=IRS2184SPBF, Multiple Parts=No, PackageReference=PG-DSO-8-910, Part Type="Power Supply", PLMStatus=Active, QuickPick=PG-DSO-8-910, RoHS Compliant=Y, Second Source allowed=Yes, Supplier 1=Farnell, Supplier 2=DigiKey, Supplier 3=Mouser, Supplier Part Number 2=IRS2184SPBF-ND, Supplier Part Number 3=942-IRS2184SPBF, Symbol Type="Half-Bridge Driver", Version Number=V01
U410 U440: library part 644198, "General Purpose Timers", Manufacturer=Renesas, Package Description="SOIC,1.27mm pitch;8 pin,3.90mm W X 4.90mm L X 1.75mm H body", Supplier Part Number 1=9663754, Temperature max=85, Temperature min=-25, Temperature Range=Military, Voltage DC (max)=na, Alternate View=Yes, Application="Standard Interface", Article Number=644198, Automotive Qualified=No, Combined Parameters="Standard Interface Clock Buffer;Vdc min/max:2V/18V;Iout:100mA;Fmax:1MHz", ComponentLink1Description="Vendor WebSite", ComponentLink1URL=http://www.renesas.eu/, ComponentLink2Description=Datasheet, ComponentLink2URL=http://webnetprod.muc.infineon.com/PCBPortal_Prod/WorkFlows/AltiumComponent/StandardDocumentation?Versionid=644199, ComponentStatus=Released, Legacy DeviceID=REN_ICM7555IBAZ, Manufacturer Order Number=ICM7555IBAZ, Multiple Parts=No, PackageReference=SOIC-8, Part Type="Integrated Circuit", PLMStatus=Active, QuickPick=SOIC-8, RoHS Compliant=Y, Second Source allowed=Yes, Supplier 1=Farnell, Supplier 2=DigiKey, Supplier 3=Mouser, Supplier Part Number 2=ICM7555IBAZ-TCT-ND, Supplier Part Number 3=968-ICM7555IBAZ, Symbol Type="General Purpose Timer", Type="Clock Buffer", Version Number=V01
U500 U520: library part 409035, "Quad Differential Comparator", Legacy PartNumber=IC02600564, Manufacturer="Texas Instruments", Supplier Part Number 1=2436009, Temperature max=0, Temperature Range=Military, Voltage DC (max)=na, Alternate View=Yes, Article Number=409035, Automotive Qualified=No, Combined Parameters=Res.:-;Fmax:-, ComponentLink1Description="Vendor WebSite", ComponentLink1URL=http://www.ti.com, ComponentLink2Description=Datasheet, ComponentLink2URL=http://webnetprod.muc.infineon.com/PCBPortal_Prod/WorkFlows/AltiumComponent/StandardDocumentation?Versionid=409036, ComponentStatus=Released, Legacy DeviceID=TI_LM339, Manufacturer Order Number=LM339PWR, PackageReference="TSSOP-14 (PW)", Part Type="Analog Parts", PLMStatus=Active, QuickPick="TSSOP-14 (PW)", Second Source allowed=Yes, Supplier 1=Farnell, Supplier 2=DigiKey, Supplier 3=Mouser, Supplier Part Number 2=296-6607-2-ND, Supplier Part Number 3=595-LM339PWR, Symbol Type="Quad Differential Comparator", Temperature min=0, Version Number=V01
U501: library part 648281, "Low-Power Open-Drain Output Comparator", Manufacturer="Microchip Technology", Package Description="SOP,0.65mm pitch;8 pin,3.00mm W X 3.00mm L X 1.10mm H body", Supplier Part Number 1=1834862, Temperature max=125, Temperature min=-40, Temperature Range=Automotive, Voltage DC (max)=na, Alternate View=Yes, Application="Power Electronics", Article Number=648281, Automotive Qualified=No, Combined Parameters=Res.:-;Fmax:4MHz, ComponentLink1Description="Vendor WebSite", ComponentLink1URL=http://www.microchip.com/, ComponentLink2Description=Datasheet, ComponentLink2URL=http://webnetprod.muc.infineon.com/PCBPortal_Prod/WorkFlows/AltiumComponent/StandardDocumentation?Versionid=648282, ComponentStatus=Released, Legacy DeviceID=MT_MCP6567-E/MS, Manufacturer Order Number=MCP6567-E/MS, Multiple Parts=Yes, PackageReference="MSOP-8 (MS)", Part Type="Analog Parts", PLMStatus=Active, QuickPick="Comparator / MSOP-8 (MS)", RoHS Compliant=Y, Second Source allowed=Yes, Supplier 1=Farnell, Supplier 2=DigiKey, Supplier 3=Mouser, Supplier Part Number 2=MCP6567-E/MS-ND, Supplier Part Number 3=579-MCP6567-E/MS, Symbol Type="Low-Power Open-Drain Output Comparator", Type=Comparator, Version Number=V00